# Altium PCB StandaloneDevice.PcbDoc
Units mm, origin at the board's own origin, x right, y up, seen from the top; angles counter-clockwise.
Board outline 96.27 x 105.66 mm, 2 copper layers (Top Layer, Bottom Layer); 12 components, 17 nets, 103 pads, 3 vias.
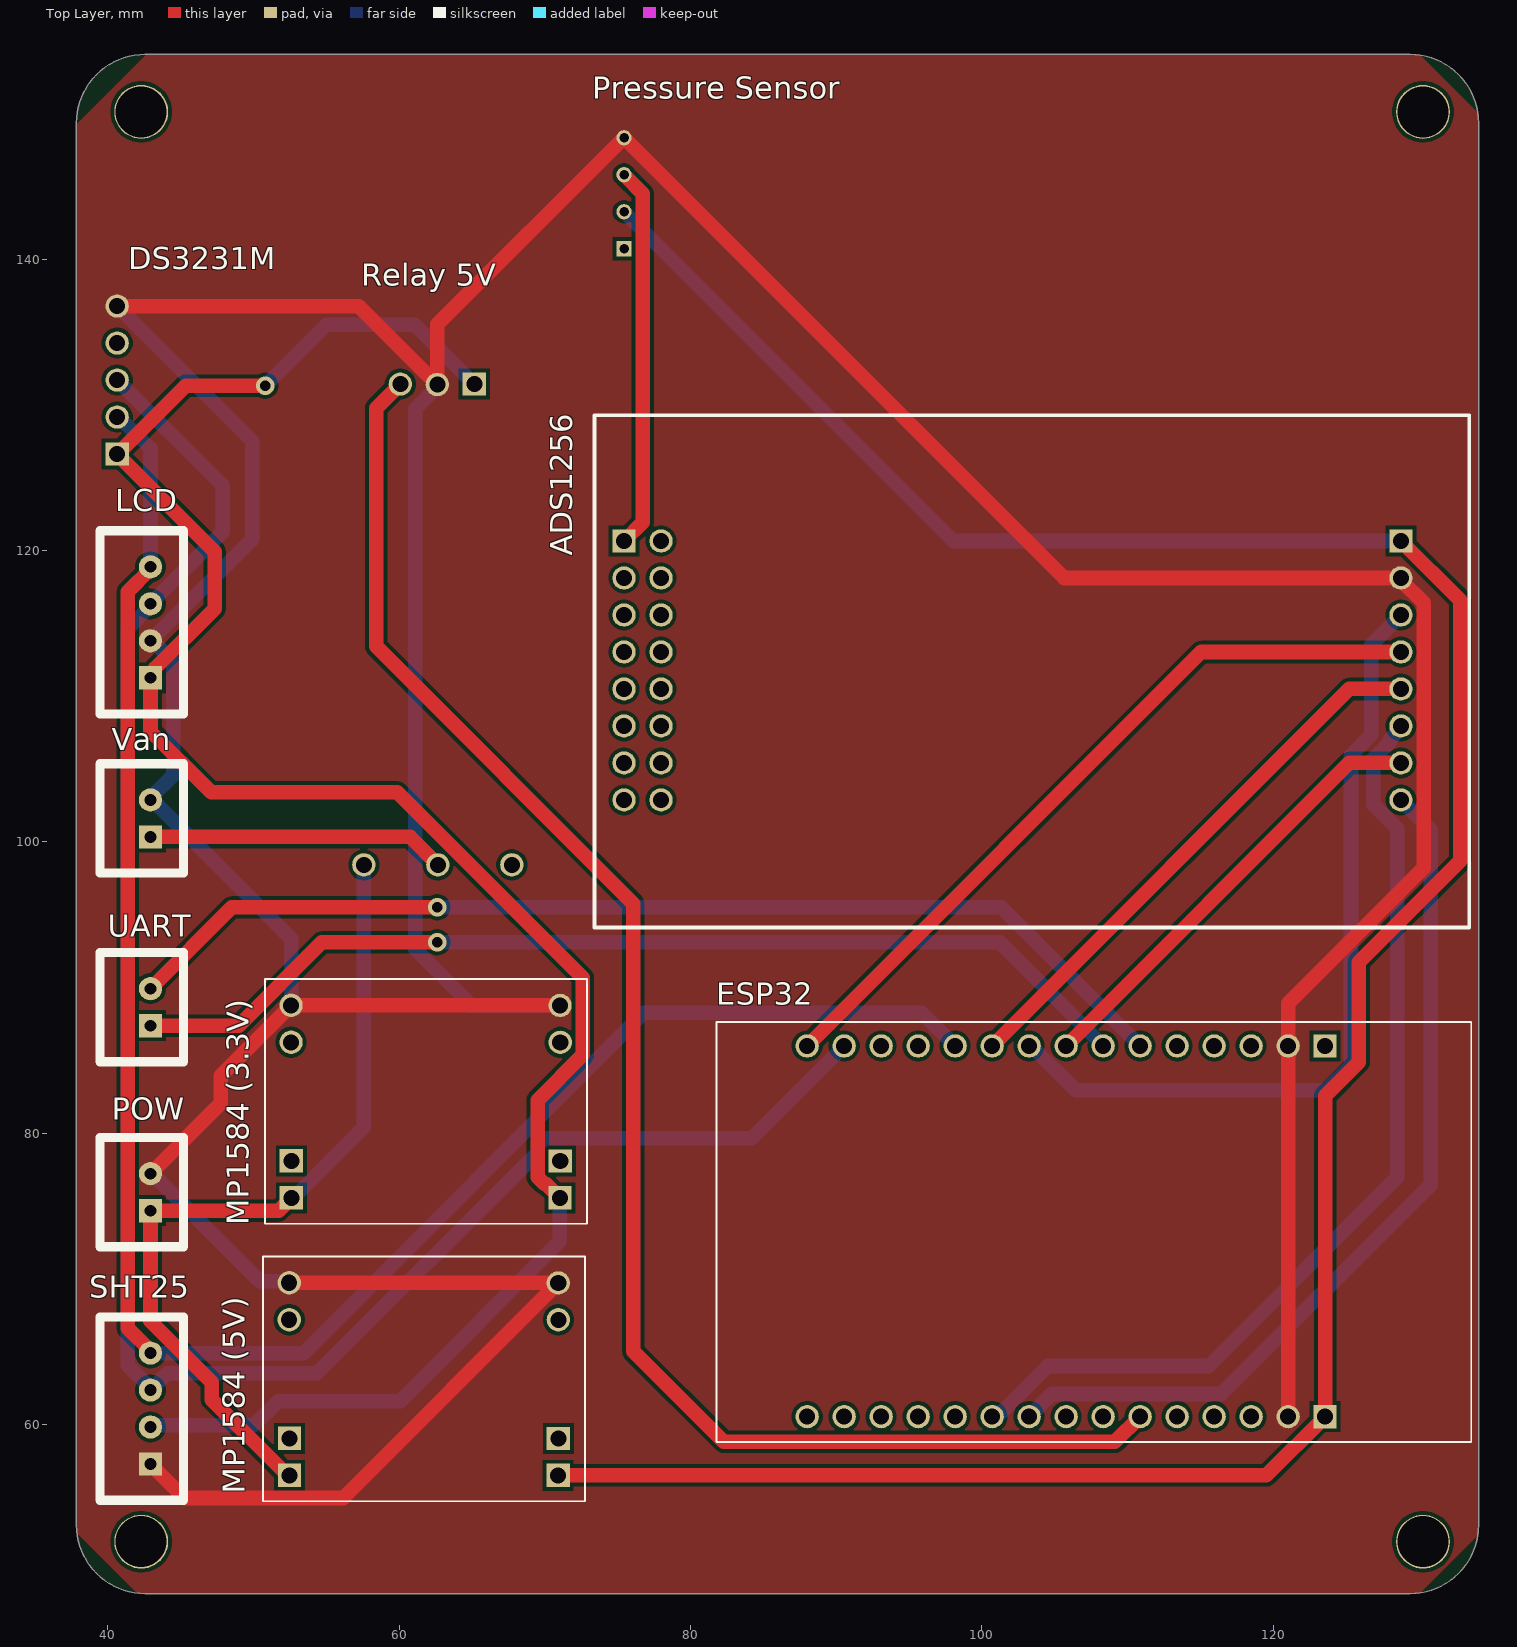
[diagram p0: Top Layer view]
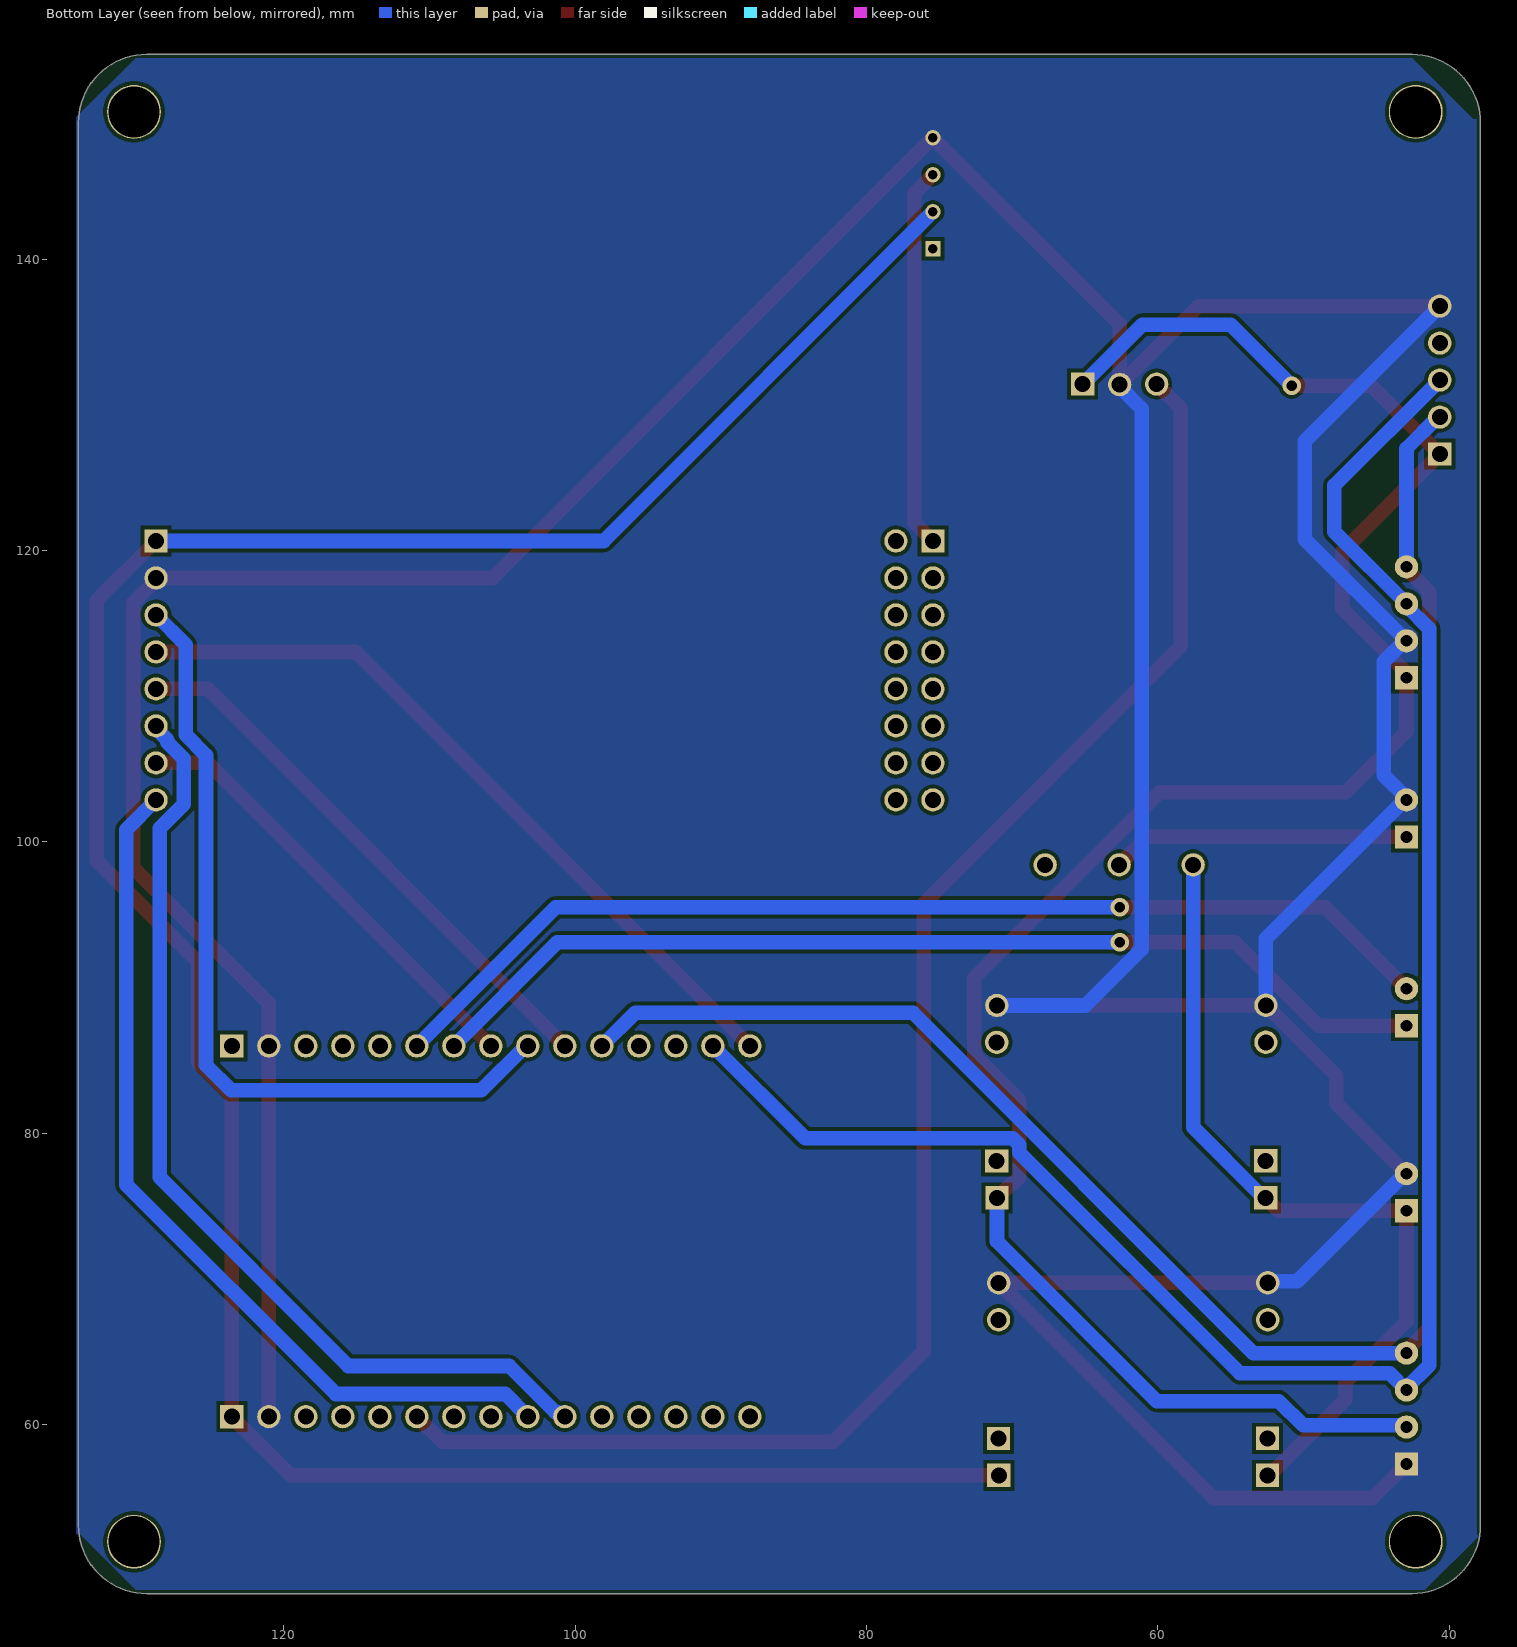
[diagram p1: Bottom Layer view, seen from below]

## Layer stack, top to bottom
Top Solder: solder mask 0.0102, Solder Resist, Dk 3.5
Top Layer: signal copper 0.0356
Dielectric 1: dielectric 0.32, FR-4, Dk 4.8
Bottom Layer: signal copper 0.0356
Bottom Solder: solder mask 0.0102, Solder Resist, Dk 3.5

## Board outline
42.546,48.387 cw(c42.546,53.087) 37.846,53.087 37.846,149.351 cw(c42.546,149.351) 42.546,154.051 129.412,154.051 cw(c129.412,149.351) 134.112,149.351 134.112,53.087 cw(c129.412,53.087) 129.412,48.387

## Design rules (kind name [scope] priority, off if disabled: settings)
Clearance [All] p1: gap=0.254 ignorepadtopadclearanceinfootprint=FALSE
Clearance Clearance_1 [All] p2: gap=0.254 ignorepadtopadclearanceinfootprint=FALSE ismatrix=TRUE
PlaneConnect [All] p1: planeconnectstyle=Direct reliefexpansion=0.508 reliefentries=4 reliefconductorwidth=0.254 reliefairgap=0.254
PolygonConnect [All] p1: connectstyle=Direct reliefconductorwidth=0.254 reliefentries=4 polygonreliefangle="90 Angle" airgapwidth=0.254
RoutingTopology RoutingTopology_1 [All] p1: topology=Shortest
RoutingTopology [All] p2: topology=Shortest
RoutingVias RoutingVias_1 [All] p1: holewidth=0.711 width=1.27 viastyle="Through Hole" minholewidth=0.711 minwidth=1.27 maxholewidth=0.711 maxwidth=1.27
RoutingVias [All] p2: holewidth=0.711 width=1.27 viastyle="Through Hole" minholewidth=0.711 minwidth=1.27 maxholewidth=0.711 maxwidth=1.27
SolderMaskExpansion [All] p1: expansion=0.102 istentingtop=FALSE
Width Width_1 [All] p1: maxlimit=1 minlimit=0.254 preferedwidth=0.5 minimp=50.000000 maximp=50.000000 favimp=50.000000
Width [All] p2: maxlimit=0.254 minlimit=0.254 preferedwidth=0.254
28 further rules are at their usual default settings.

## Classes and differential pairs
component class "Connect to controler": UART
component class "Temperature and Huminity Sensor": SHT25
component class "Relay 5V and Valve": "Relay 5V"
component class "Pressure Sensors and ADC": ADS1256 "Pressure Sensor"
component class "Power Supply": "MP1584 (3.3V)" "MP1584 (5V)" POW
component class Microcontroller: ESP32
component class "LCD Oled": LCD
component class DS3231M: DS3231M

## Components (designator, comment, footprint, x,y, rotation, side; value= is the part's Value field where it differs from the comment)
ADS1256 "ADS1256" ADS1256 88.519,86.741 r0 top
DS3231M "DS3231M" "Module DS3231M" 66.04,131.191 r90 top
ESP32 "ESP32 DEVKITV1" "ESP32 DEVKITV1" 100.711,73.533 r90 top
LCD "Header 4P 2.54 Duc Thang" XH2.54M-4 42.926,111.252 r90 top
"MP1584 (3.3V)" "Module MP1584" "module mP1584" 61.849,82.169 r0 top
"MP1584 (5V)" "Module MP1584" "module mP1584" 61.722,63.119 r0 top
POW "Header 2P 2.54 Duc Thang" XH2.54M-2 42.926,74.676 r90 top
"Pressure Sensor" "HSCSAAN160MDAA5" HSCSAAN160MDAA5 75.438,144.526 r90 top
"Relay 5V" "Module Relay 5V" "Module Relay 5V" 62.23,114.3 r270 top
SHT25 "Header 4P 2.54 Duc Thang" XH2.54M-4 42.926,57.277 r90 top
UART "Header 2P 2.54 Duc Thang" XH2.54M-2 42.926,87.376 r90 top
Van "Header 2P 2.54 Duc Thang" XH2.54M-2 42.926,100.33 r90 top

## Footprints (in the part's own frame and the unit in brackets; to place one, negate y for a bottom-side part, rotate by r counter-clockwise, add the part's x,y. Pads: shape width x height; smd on the part's side, far side on the other; paste and mask are expansions set on the pad)
ADS1256 [mm]
  rect 1.6x1.6 hole 1.1: 1(40.259,33.909) 9(-13.081,33.909)
  round 1.6 hole 1.1: 2(40.259,31.369) 3(40.259,28.829) 4(40.259,26.289) 5(40.259,23.749) 6(40.259,21.209) 7(40.259,18.669) 8(40.259,16.129) 10(-13.081,31.369) 11(-13.081,28.829) 12(-13.081,26.289) 13(-13.081,23.749) 14(-13.081,21.209) 15(-13.081,18.669) 16(-13.081,16.129) 17(-10.541,33.909) 18(-10.541,31.369) 19(-10.541,28.829) 20(-10.541,26.289) 21(-10.541,23.749) 22(-10.541,21.209) 23(-10.541,18.669) 24(-10.541,16.129)
  silkscreen extent -15.11,7.37 44.96,42.55, body extent -14.99,7.37 44.96,42.55, height 11.6
"ESP32 DEVKITV1" [mm]
  rect 1.6x1.6 / inner round 1.6 / far side rect 1.6x1.6 hole 1.1: 1(-13,-22.86) 16(12.446,-22.86)
  round 1.6 hole 1.1: 2(-13,-20.32) 3(-13,-17.78) 4(-13,-15.24) 5(-13,-12.7) 6(-13,-10.16) 7(-13,-7.62) 8(-13,-5.08) 9(-13,-2.54) 10(-13,0) 11(-13,2.54) 12(-13,5.08) 13(-13,7.62) 14(-13,10.16) 15(-13,12.7) 17(12.446,-20.32) 18(12.446,-17.78) 19(12.446,-15.24) 20(12.446,-12.7) 21(12.446,-10.16) 22(12.446,-7.62) 23(12.446,-5.08) 24(12.446,-2.54) 25(12.446,0) 26(12.446,2.54) 27(12.446,5.08) 28(12.446,7.62) 29(12.446,10.16) 30(12.446,12.7)
  silkscreen extent -14.73,-32.89 14.1,18.92, body extent -14.35,-32.61 13.8,18.89, height 15.47
HSCSAAN160MDAA5 [mm]
  rect 1.05x1.05 hole 0.65: 1(-3.81,0)
  round 1.05 hole 0.65: 2(-1.27,0) 3(1.27,0) 4(3.81,0)
  body extent -5,-11.51 5,2.16, height 21.8
"Module DS3231M" [mm]
  rect 1.6x1.6 hole 1.1: 1(-4.572,25.4)
  round 1.6 hole 1.1: 2(-2.032,25.4) 3(0.508,25.4) 4(3.048,25.4) 5(5.588,25.4)
  body extent -5.87,13.61 6.83,26.61, height 16.35
"module mP1584" [mm]
  round 1.6 hole 1.1: 1(-9.271,6.604) 2(-9.271,4.064) 5(9.2,6.59) 6(9.21,4.06)
  rect 1.6x1.6 hole 1.1: 3(-9.25,-4.08) 4(-9.25,-6.62) 7(9.21,-4.09) 8(9.19,-6.62)
  silkscreen extent -11.06,-8.4 11.04,8.4, body extent -11.05,-8.4 11.05,8.4, height 12.19
"Module Relay 5V" [mm]
  rect 1.6x1.6 hole 1.1: 1(-17.121,2.93)
  round 1.6 hole 1.1: 2(-17.091,0.39) 3(-17.121,-2.15) 4(15.884,5.506) 5(15.884,0.426) 6(15.884,-4.654)
  body extent -20.8,-8.12 22.2,8.98, height 30.2
XH2.54M-2 [mm]
  rect 1.6x1.6 hole 0.8: 1(0,0)
  round 1.6 hole 0.8: 2(2.54,0)
  silkscreen extent -2.48,-2.26 5.02,3.46, body extent -2.48,-2.26 5.02,3.48, height 6.91
XH2.54M-4 [mm]
  rect 1.6x1.6 hole 0.8: 1(0,0)
  round 1.6 hole 0.8: 2(2.54,0) 3(5.08,0) 4(7.62,0)
  silkscreen extent -2.48,-2.26 10.1,3.46, body extent -2.48,-2.26 10.1,3.48, height 6.91

## Part data
ESP32 "MP1584 (3.3V)" "MP1584 (5V)": Package=Package, Check_prices=https://www.snapeda.com/parts/ESP32%20NODEMCU/Espressif+Systems/view-part/?ref=eda, MF="Espressif Systems", MP="ESP32 NODEMCU", SnapEDA_Link=https://www.snapeda.com/parts/ESP32%20NODEMCU/Espressif+Systems/view-part/?ref=snap
LCD POW SHT25 UART Van: "Cắm", Chung_Loai=Cắm, Don_Vi=Con
  LCD SHT25: Ma_Hang=MH001285, Ten_Linh_Kien="Header 4P XH2.54-4P Đực Thẳng"
  POW UART Van: Ma_Hang=MH001283, Ten_Linh_Kien="Header 2P XH2.54-2P Đực Thẳng"

## Free pads (board coordinates)
  round 3.7 hole 3.5: 5(42.291,51.943) 5(42.291,150.114) 5(130.291,51.943) 5(130.291,150.114)

## Via types
v1: diameter 1.27, hole 0.711, Top Layer to Bottom Layer, 3 vias

## Nets (pads, with @x,y where several pads share a name; then routed paths per layer and width w, separated by ;. In a path a pad name is that pad's centre, name@x,y a point inside that pad or via, vN(x,y) a via of type N, cw(c..) or ccw(c..) an arc to the next point about the centre after c; other vN are vias at no path point)
3.3V: "MP1584 (3.3V).8" "Relay 5V.1" DS3231M.1 LCD.1 SHT25.2 | length 143.7
  Top Layer w1: v1(50.8,131.318) 45.339,131.318 DS3231M.1 47.338,119.921 47.338,116.006 43.226,111.894 43.226,111.552 LCD.1 42.926,107.569 47.103,103.392 59.877,103.392 72.613,90.657 72.613,85.366 69.505,82.258 69.505,76.967 69.947,76.525 70.063,76.525 71.039,75.549
  Bottom Layer w1: SHT25.2 43.041,59.932 50.026,59.932 51.689,61.595 60.071,61.595 71.039,72.563 71.039,75.549 ; v1(50.8,131.318) 54.991,135.509 61.072,135.509 65.16,131.421
5V: "MP1584 (5V).8" "Pressure Sensor.2" ADS1256.1 ESP32.1 | length 182.7
  Top Layer w1: 70.912,56.499 119.537,56.499 ESP32.1 123.571,82.55 125.891,84.87 125.891,91.728 132.85,98.687 132.85,116.578 ADS1256.1
  Bottom Layer w1: 75.438,143.256 98.044,120.65 ADS1256.1
12V: "MP1584 (3.3V).4" "MP1584 (5V).4" "Relay 5V.6" POW.1 | length 57.2
  Top Layer w1: 52.472,56.499 52.172,56.799 52.046,56.799 47.143,61.702 47.143,62.878 42.926,67.095 POW.1 51.726,74.676 52.599,75.549
  Bottom Layer w1: 52.599,75.549 52.899,75.849 53.025,75.849 57.576,80.4 57.576,98.416
A0: "Pressure Sensor.3" ADS1256.9 | length 26.2
  Top Layer w1: ADS1256.9 76.717,121.929 76.717,144.503 75.438,145.782 75.438,145.796
COM: "Relay 5V.5" Van.1 | length 20.5
  Top Layer w1: Van.1 60.742,100.33 62.656,98.416
CS: ADS1256.7 ESP32.23 | length 31
  Top Layer w1: ESP32.23 125.222,105.41 ADS1256.7
DROY: ADS1256.6 ESP32.10 | length 67.1
  Bottom Layer w1: ESP32.10 100.873,60.533 101.173,60.833 101.353,60.833 104.528,64.008 115.57,64.008 128.524,76.962 128.524,100.926 128,101.45 126.873,102.577 126.873,105.703 128,106.83 128,107.01 128.778,107.788 ADS1256.6
GND: "MP1584 (3.3V).1" "MP1584 (3.3V).5" "MP1584 (5V).1" "MP1584 (5V).5" "Pressure Sensor.4" "Relay 5V.2" ADS1256.2 DS3231M.5 ESP32.2 ESP32.17 LCD.2 POW.2 SHT25.1 Van.2 | length 386.1
  Top Layer w1: DS3231M.5 57.232,136.779 62.62,131.391 62.62,135.518 75.438,148.336 105.664,118.11 ADS1256.2 128.778,117.965 130.332,116.411 130.332,98.201 121.031,88.9 ESP32.17 ESP32.2 ; SHT25.1 45.258,54.945 56.158,54.945 70.922,69.709 70.915,69.716 52.458,69.716 52.451,69.723 ; POW.2 47.752,82.042 47.752,83.947 52.578,88.773 52.585,88.766 71.042,88.766 71.049,88.759 ; Van.2 Van.2@42.926,103.015 ; LCD.2@42.926,113.937 LCD.2 LCD.2@43.052,113.792
  Bottom Layer w1: DS3231M.5 49.911,127.508 49.911,120.777 LCD.2 43.052,113.792 44.48,112.364 44.48,104.569 42.926,103.015 Van.2 43.052,102.87 52.578,93.344 52.578,88.773 ; POW.2 43.052,77.216 50.431,69.838 52.336,69.838 52.451,69.723 ; 62.62,131.391 62.62,131.229 61.102,129.712 61.102,92.635 64.979,88.759 71.049,88.759
GPIO27: "Relay 5V.3" ESP32.6 | length 112.5
  Top Layer w1: 60.08,131.421 58.42,129.762 58.42,113.411 76.073,95.758 76.073,65.024 82.296,58.801 109.139,58.801 ESP32.6
MISO: ADS1256.5 ESP32.25 | length 38.2
  Top Layer w1: ESP32.25 125.222,110.49 ADS1256.5
MOSI: ADS1256.4 ESP32.30 | length 52
  Top Layer w1: ESP32.30 115.062,113.03 ADS1256.4
RST: ADS1256.8 ESP32.9 | length 61.4
  Bottom Layer w1: ESP32.9 104.805,62.087 116.443,62.087 130.81,76.454 130.81,100.838 ADS1256.8
RX: ESP32.21 UART.2 | length 74.2
  Top Layer w1: UART.2 48.514,95.504 v1(62.611,95.504)
  Bottom Layer w1: v1(62.611,95.504) 101.346,95.504 ESP32.21
SCK: ADS1256.3 ESP32.24 | length 56.4
  Bottom Layer w1: ESP32.24 103.396,85.979 106.444,82.931 123.606,82.931 125.349,84.674 125.349,105.952 126.746,107.349 126.746,113.538 ADS1256.3
SCL: DS3231M.3 ESP32.29 LCD.3 SHT25.3 | length 133.4
  Bottom Layer w1: DS3231M.3 47.879,124.46 47.879,121.285 LCD.3 42.926,116.187 41.372,114.633 41.372,64.056 42.926,62.502 SHT25.3 44.069,63.5 54.356,63.5 69.505,78.649 69.505,79.191 69.947,79.633 84.205,79.633 ESP32.29
SDA: DS3231M.2 ESP32.26 LCD.4 SHT25.4 | length 132.6
  Top Layer w1: DS3231M.2 DS3231M.2@40.766,129.159 ; SHT25.4 42.926,65.042 41.372,66.596 41.372,117.173 42.926,118.727 LCD.4
  Bottom Layer w1: DS3231M.2 40.766,129.159 42.926,126.999 LCD.4 ; SHT25.4 53.437,64.897 76.805,88.265 95.885,88.265 ESP32.26
TX: ESP32.22 UART.1 | length 70.7
  Top Layer w1: UART.1 48.983,87.376 54.698,93.091 v1(62.611,93.091)
  Bottom Layer w1: v1(62.611,93.091) 101.219,93.091 ESP32.22
pads on no net: "MP1584 (3.3V).2" "MP1584 (3.3V).3" "MP1584 (3.3V).6" "MP1584 (3.3V).7" "MP1584 (5V).2" "MP1584 (5V).3" "MP1584 (5V).6" "MP1584 (5V).7" "Pressure Sensor.1" "Relay 5V.4" ADS1256.10 ADS1256.11 ADS1256.12 ADS1256.13 ADS1256.14 ADS1256.15 ADS1256.16 ADS1256.17 ADS1256.18 ADS1256.19 ADS1256.20 ADS1256.21 ADS1256.22 ADS1256.23 ADS1256.24 DS3231M.4 ESP32.3 ESP32.4 ESP32.5 ESP32.7 ESP32.8 ESP32.11 ESP32.12 ESP32.13 ESP32.14 ESP32.15 ESP32.16 ESP32.18 ESP32.19 ESP32.20 ESP32.27 ESP32.28

## Polygon pours and split planes (outlines as drawn)
GND on Bottom Layer "NONET_L-01_P-001" (solid, pour order 1): 42.545,153.797 38.354,149.606 38.1,149.606 38.1,52.451 37.973,52.324 41.656,48.641 130.175,48.641 133.985,52.451 134.239,52.451 134.239,149.733 130.175,153.797 42.672,153.797 42.545,153.924
GND on Top Layer "NONET_L-01_P-001" (solid, pour order 0): 42.672,154.051 37.846,149.225 37.846,52.578 42.037,48.387 130.048,48.387 134.112,52.451 134.112,149.987 130.048,154.051 129.921,154.051

## Silkscreen, mask and mechanical layers (free items; w line width, h text height)
Mechanical 1:
  the board outline again, w1.2